# Altium PCB MODULE_GSM_GNSS_v1.1.PcbDoc (part 1 of 2) (continued)
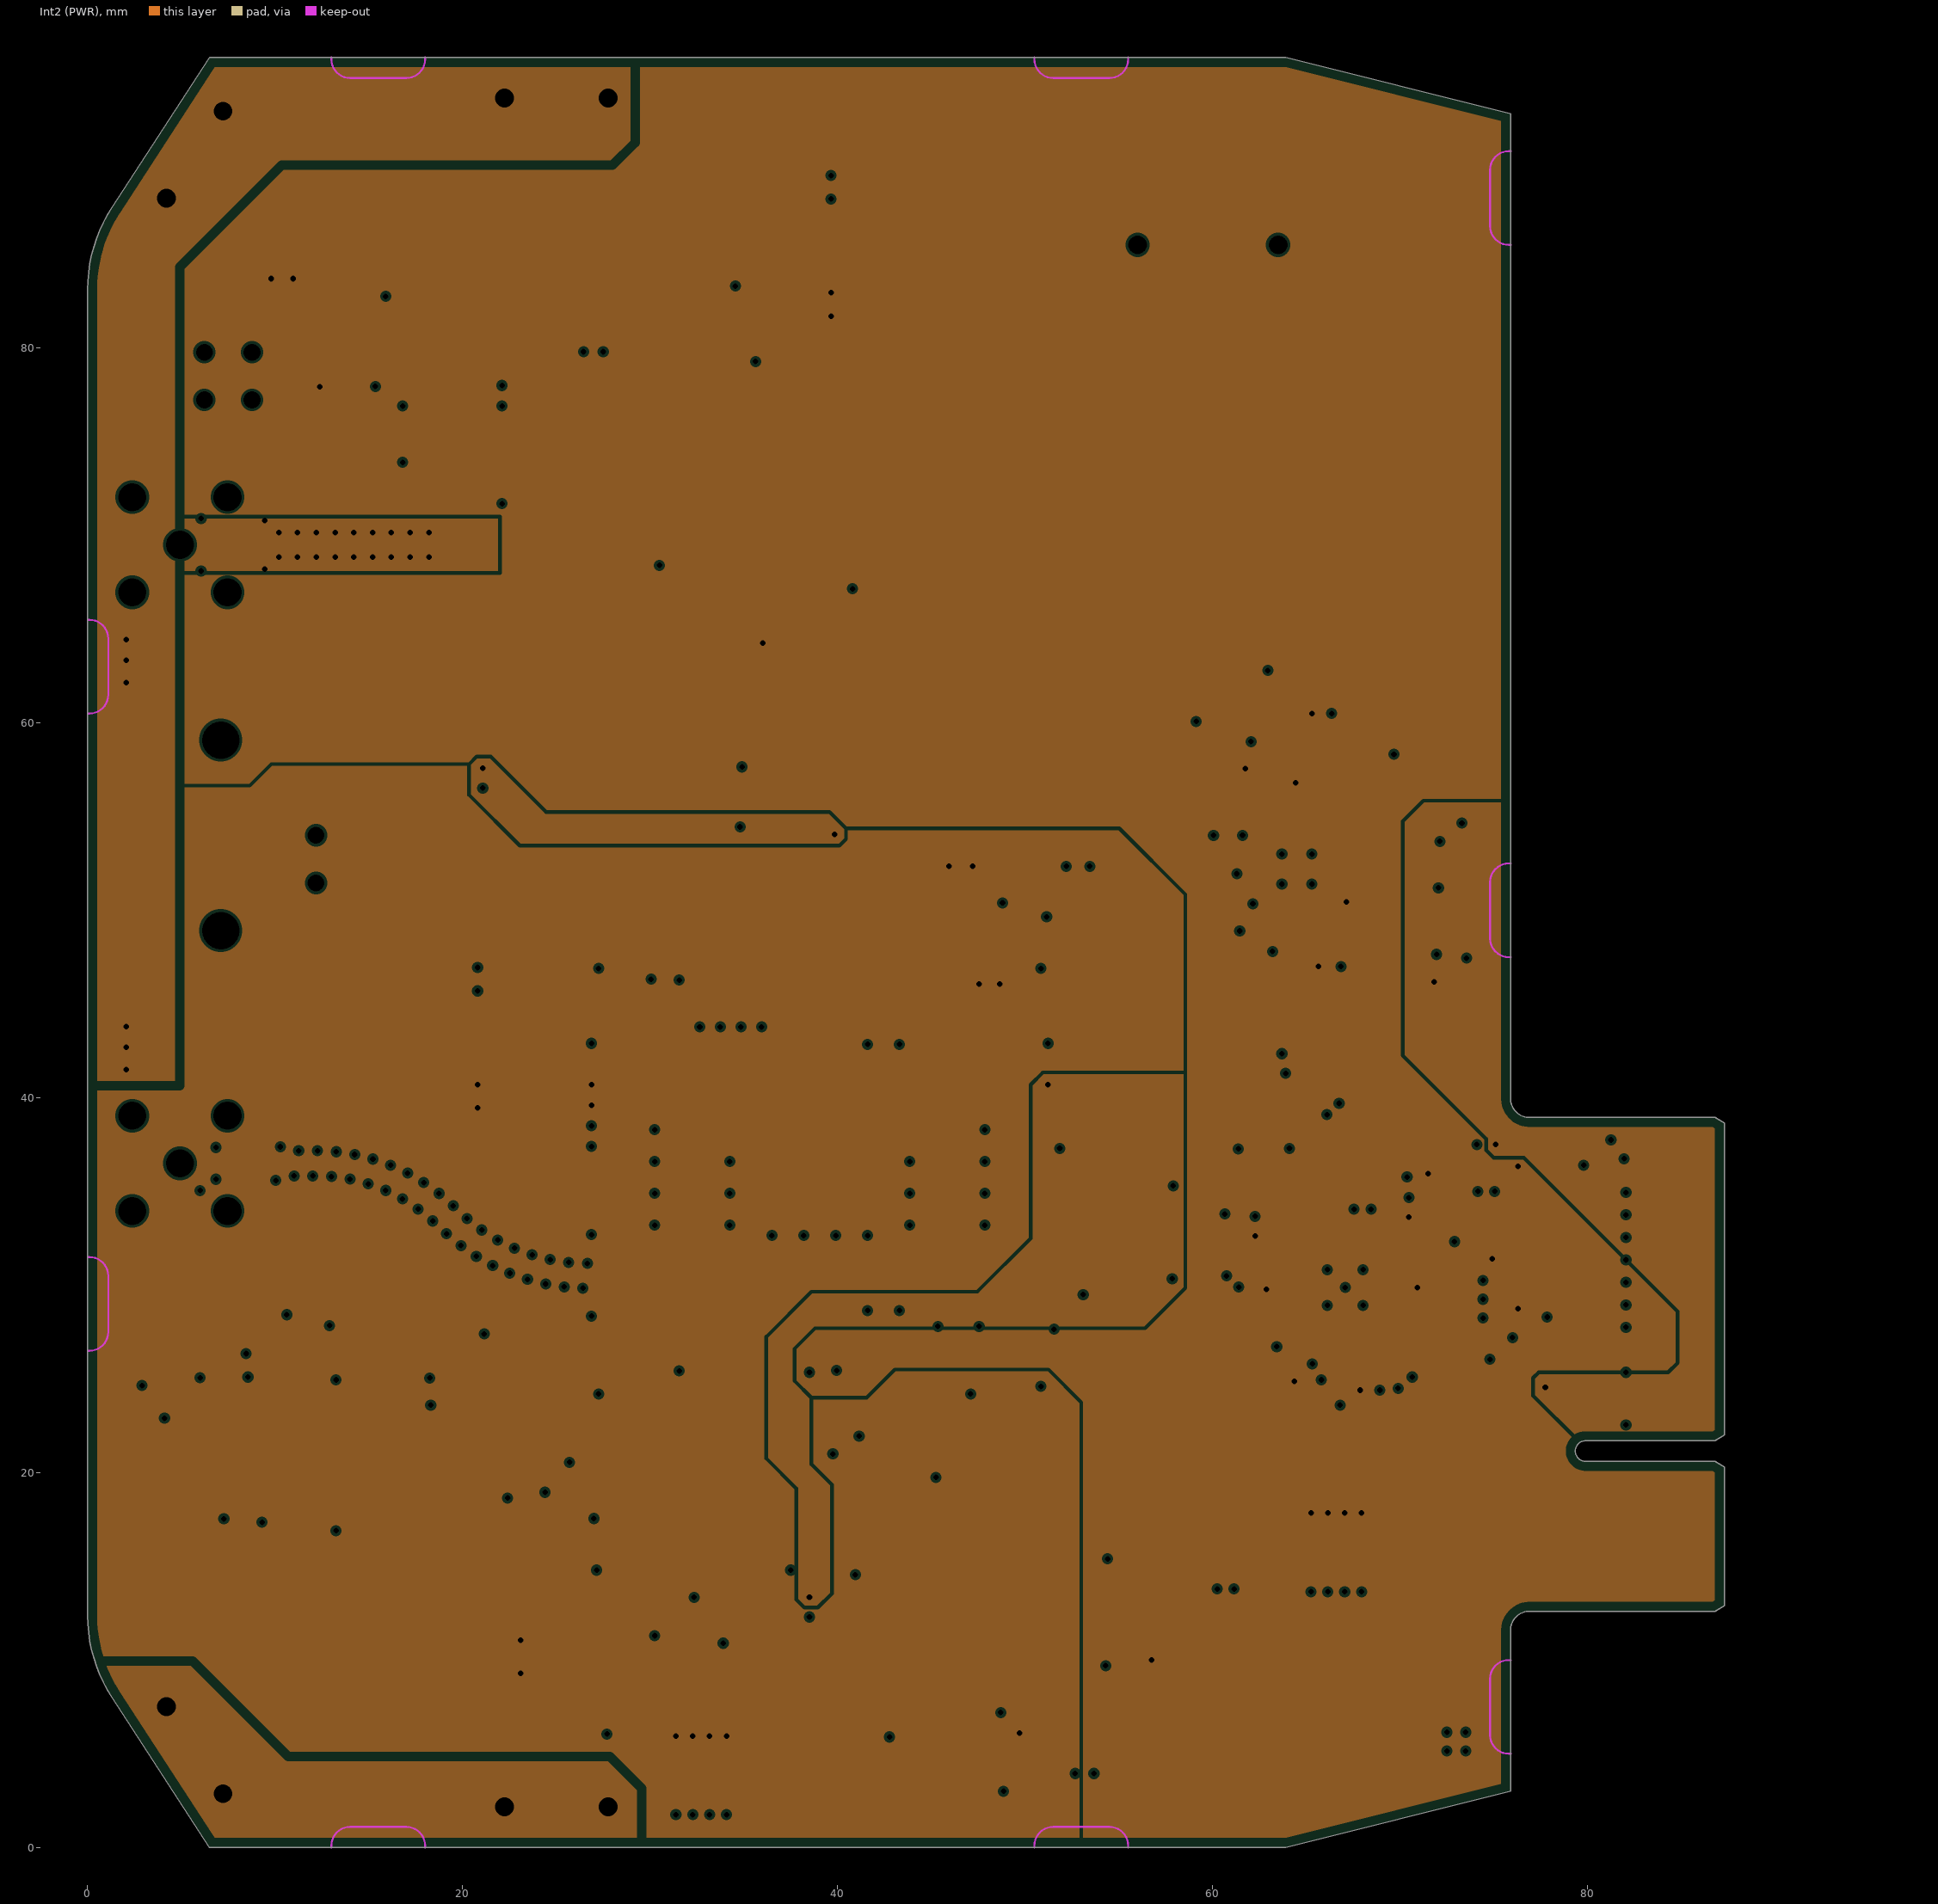
[diagram p3: Int2 (PWR), clearances drawn from the general rule]
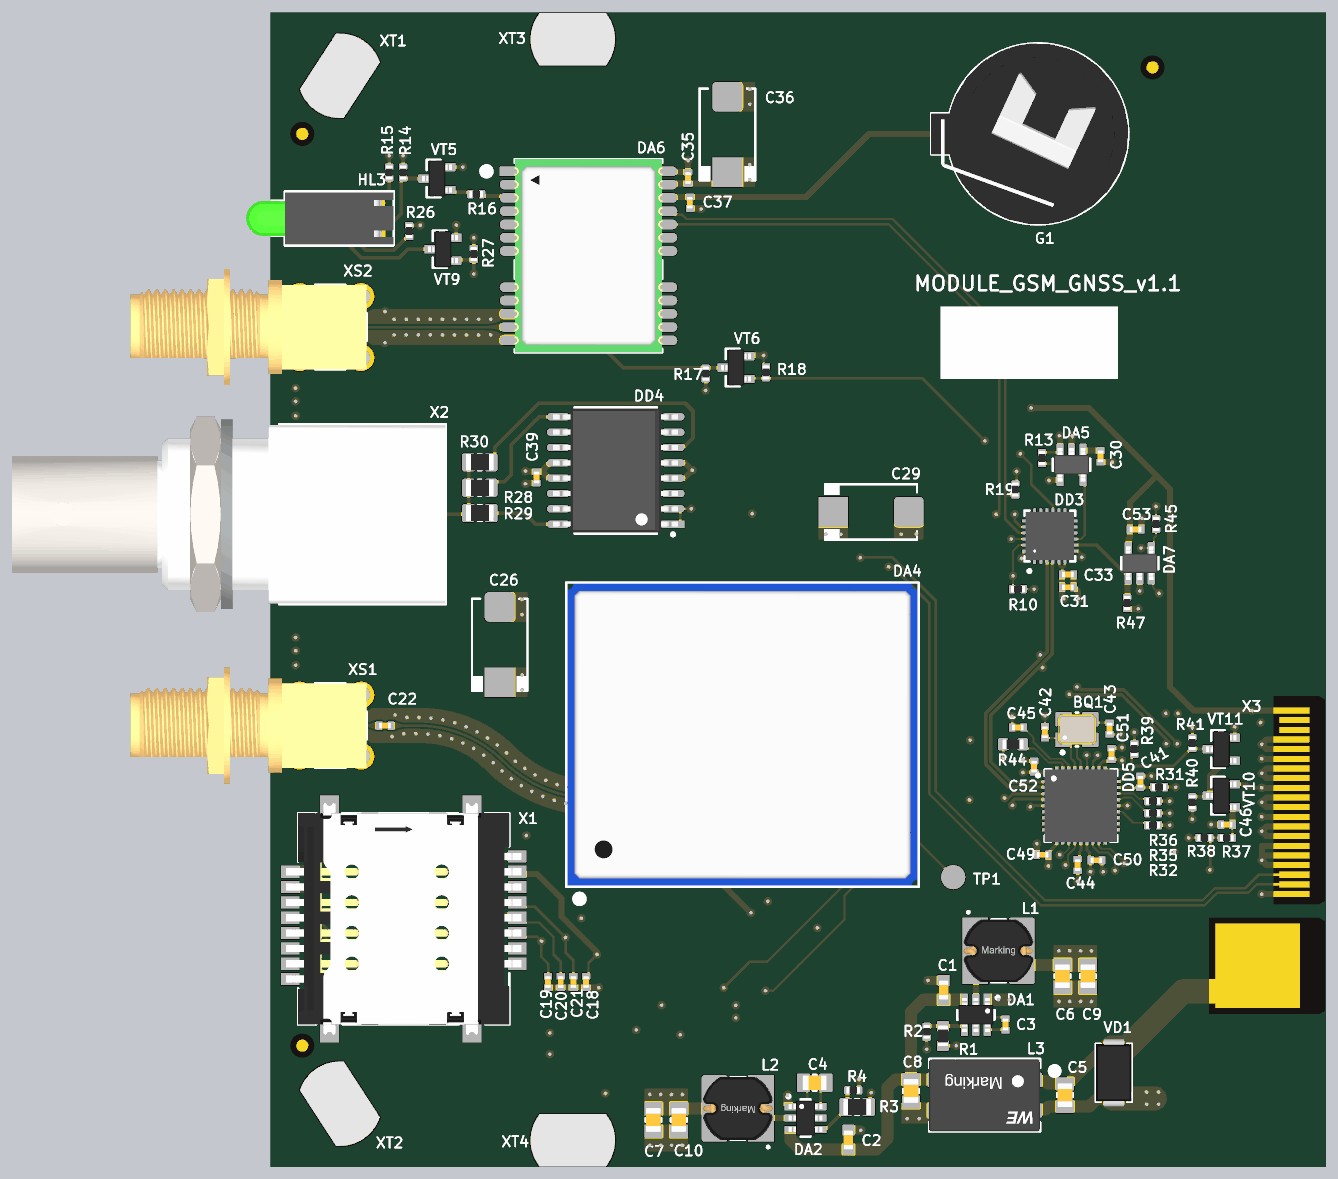
[diagram p5: 3D render of the assembled board from above, using the file's embedded part models]
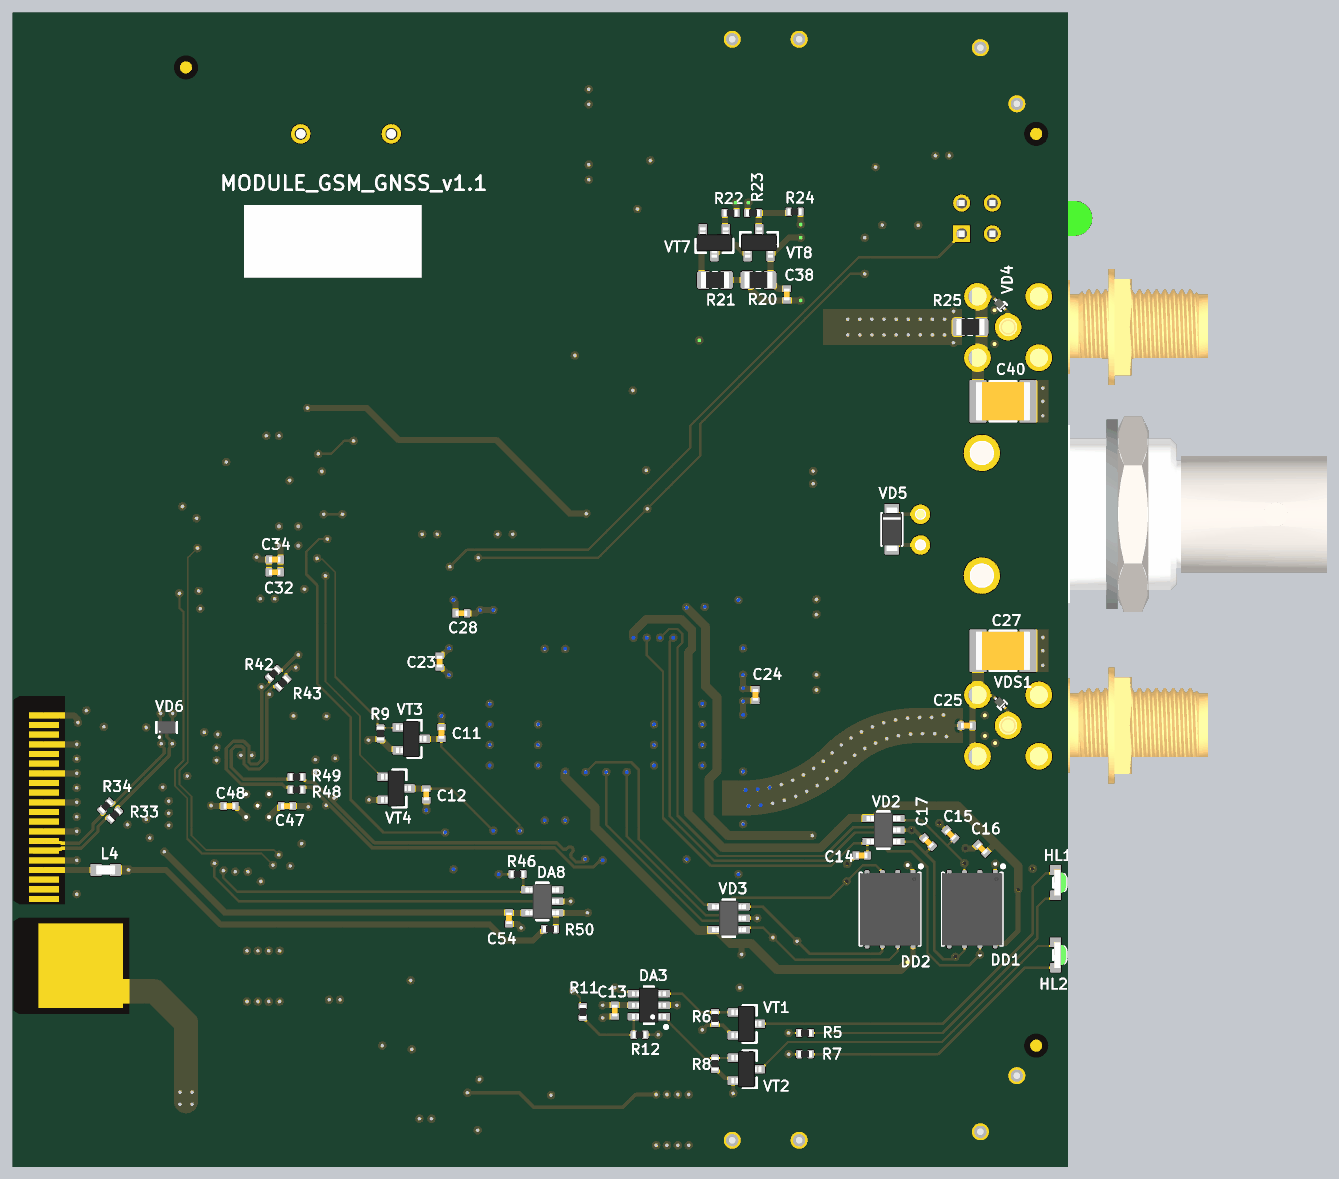
[diagram p6: 3D render of the assembled board from below, using the file's embedded part models]

## Layer stack, top to bottom
Top Solder: solder mask 0.0254, SM-001, Dk 4
Top Layer: signal copper 0.035
Dielectric 1: prepreg 0.1295, PP-017, Dk 4.3
Dielectric 2: prepreg 0.1295, PP-017, Dk 4.3
Int1 (GND): plane copper 0.035, net (Multiple Nets)
Dielectric 3: core 0.7112, Core-039, Dk 4.8
Int2 (PWR): plane copper 0.035, net (Multiple Nets)
Dielectric 4: prepreg 0.1295, PP-017, Dk 4.3
Dielectric 5: prepreg 0.1295, PP-017, Dk 4.3
Bottom Layer: signal copper 0.035
Bottom Solder: solder mask 0.0254, SM-001, Dk 4

## Board outline
6.5,0 1.291,8.022 cw(c8,12.379) 0,12.379 0,83.121 cw(c8,83.121) 1.291,87.478 6.5,95.5 63.9,95.5 75.9,92.5 75.9,39.95 ccw(c76.9,39.95) 76.9,38.95 86.8,38.95 87.3,38.65 87.3,22 86.8,21.7 79.9,21.7 ccw(c79.9,21.15) 79.9,20.6 86.8,20.6 87.3,20.3 87.3,12.9 86.8,12.6 76.9,12.6 ccw(c76.9,11.6) 75.9,11.6 75.9,3 63.9,0

## Design rules (kind name [scope] priority, off if disabled: settings)
BoardOutlineClearance BoardOutlineClearance_overlay [OnTopSilkscreen or OnBottomSilkscreen or IsKeepOut] p1: gap=0 ignorepadtopadclearanceinfootprint=FALSE
BoardOutlineClearance [All] p2: gap=0.5 ignorepadtopadclearanceinfootprint=FALSE except(0: Arc-SplitContinuation Track-SplitContinuation Poly-SplitContinuation Region-OutlineEdge Region-CavityEdge Region-CutoutEdge Region-SplitContinuation)
Clearance Clearance_Chassis [InNet('P0_SHIELD') or InNet('P1_SHIELD')] p1: gap=0 ignorepadtopadclearanceinfootprint=FALSE
Clearance [All] p2: gap=0.15 ignorepadtopadclearanceinfootprint=FALSE
ComponentClearance [All] p1: gap=0.2 collisioncheckmode=3 verticalgap=0.2 showdistances=FALSE
DiffPairsRouting 90Ohm [InDifferentialPair('USB1_D') or InDifferentialPair('USB2_D') or InDifferentialPair('USB3_D') or InDifferentialPair('HUB_D') or InDifferentialPair('USB_HOST_D')] p1: maxlimit=0.15 minlimit=0.127 mostfreqgap=0.15 toplayer_minwidth=0.227 toplayer_maxwidth=0.265 toplayer_prefwidth=0.265 bottomlayer_minwidth=0.227 bottomlayer_maxwidth=0.265 bottomlayer_prefwidth=0.265 impedanceprofiledriven=TRUE impedanceprofileid={654A6786-6CD2-4583-8927-0BD5B9B99962} impedanceprofilevalue=90.000000 maxuncoupledlength=12.7
DiffPairsRouting [All] p2: maxlimit=0.3 minlimit=0.1 mostfreqgap=0.149 toplayer_minwidth=0.1 toplayer_maxwidth=0.5 toplayer_prefwidth=0.199 bottomlayer_minwidth=0.1 bottomlayer_maxwidth=0.5 bottomlayer_prefwidth=0.199 maxuncoupledlength=12.7
HoleSize [All] p1: absolutevalues=TRUE maxlimit=20 minlimit=0.2 maxpercent=80.000 minpercent=20.000
HoleToHoleClearance [All] p1: gap=0.25 allowstackedmicrovias=TRUE
MatchedLengths MatchLengths_xSignals_X2_DD4 [InxSignalClass('xSignals_X2_DD4_MatchLengthsClass')] p1: tolerance=0.5 checknetsindiffpair=FALSE checkdiffpairvsdiffpair=TRUE checkxsignals=TRUE checkothers=TRUE
MinimumAnnularRing [All] p1: minimumring=0.15
MinimumSolderMaskSliver [All] p1: minsoldermaskwidth=0.06
PlaneClearance [All] p1: clearance=0.15
PlaneConnect [All] p1: pad.planeconnectstyle=Relief pad.reliefexpansion=0.2 pad.reliefentries=4 pad.reliefconductorwidth=0.4 pad.reliefairgap=0.25 via.planeconnectstyle=Direct via.reliefexpansion=0.5 via.reliefentries=4 via.reliefconductorwidth=0.25 via.reliefairgap=0.25
PolygonConnect [All] p1: thpad.connectstyle=Relief thpad.reliefconductorwidth=0.25 thpad.reliefentries=4 thpad.polygonreliefangle="90 Angle" thpad.airgapwidth=0.25 smdpad.connectstyle=Relief smdpad.reliefconductorwidth=0.25 smdpad.reliefentries=4 smdpad.polygonreliefangle="90 Angle" smdpad.airgapwidth=0.25 via.connectstyle=Direct via.reliefconductorwidth=0.25 via.reliefentries=4 via.polygonreliefangle="90 Angle" via.airgapwidth=0.25
RoutingCorners [All] p1: cornerstyle=45-Degree minsetback=2 maxsetback=2
RoutingVias [All] p1: holewidth=0.25 width=0.55 viastyle="Through Hole" minholewidth=0.2 minwidth=0.5 maxholewidth=2 maxwidth=5
SilkToSilkClearance [All] p1: silktosilkclearance=0.1
SilkToSolderMaskClearance [IsPad] p1: minsilkscreentomaskgap=0.05 clearancetoexposedcopper=TRUE
SolderMaskExpansion [All] p1: expansion=0.07 istentingtop=FALSE
Width [All] p1: maxlimit=20 minlimit=0.1 preferedwidth=0.15
20 further rules are at their usual default settings.

## Classes and differential pairs
component class USB_HUB: BQ1 C41 C42 C43 C44 C45 C46 C47 C48 C49 C50 C51 C52 C53 C54 DA7 DA8 DD5 L4 R31 R32 R33 R34 R35 R36 R37 R38 R39 R40 R41 R42 R43 R44 R45 R46 R47 R48 R49 R50 VD6 VT10 VT11
component class GSM: C11 C12 C13 C14 C15 C16 C17 C18 C19 C20 C21 C22 C23 C24 C25 C26 C27 C28 C29 DA3 DA4 DD1 DD2 HL1 HL2 R5 R6 R7 R8 R9 R10 R11 R12 TP1 VD2 VD3 VDS1 VT1 VT2 VT3 VT4 X1 XS1
component class GNSS: C30 C31 C32 C33 C34 C35 C36 C37 C38 C39 C40 DA5 DA6 DD3 DD4 G1 HL3 R13 R14 R15 R16 R17 R18 R19 R20 R21 R22 R23 R24 R25 R26 R27 R28 R29 R30 VD4 VD5 VT5 VT6 VT7 VT8 VT9 X2 XS2
component class CONNECTOR: C534 C535 TP16 TP17 TP18 TP19 TP20 TP21 TP22 TP23 TP24 TP25 TP26 TP27 X3 XT1 XT2 XT3 XT4
differential pair USB_HOST_D: +USB_HOST_D_P -USB_HOST_D_N
differential pair USB2_D: +USB2_D_P -USB2_D_N
differential pair USB1_D: +USB1_D_P -USB1_D_N
differential pair HUB_D: +HUB_D_P -HUB_D_N

## Components (designator, comment, footprint, x,y, rotation, side; value= is the part's Value field where it differs from the comment)
1 "Comment" Fiducial 2.6,85.5 r0 top locked
2 "Comment" Fiducial 73,91 r0 top locked
3 "Comment" Fiducial 73,91 r180 bottom locked
4 "Comment" Fiducial 2.6,85.5 r180 bottom locked
5 "Comment" Fiducial 2.6,10 r180 bottom locked
BQ1 "24 MHz" "3225 Crystal" 66.75,36.175 r0 top
C1 "10 мкФ" CAP0603(1608x08)N 55.7,14.6 r90 top
C2 "10 мкФ" CAP0603(1608x08)N 47.825,2.2 r90 top
C3 "0,1 мкФ" CAP0402(1005x05)N 60.825,11.75 r270 top
C4 "0,1 мкФ" CAP0805(2012x125)N 45.025,6.925 r0 top
C5 "0,1 мкФ" CAP0805(2012x125)N 65.75,5.9 r90 top
C6 "22 мкФ" CAP0805(2012x125)N 65.55,15.75 r270 top
C7 "22 мкФ" CAP0805(2012x125)N 31.675,3.85 r270 top
C8 "0,1 мкФ" CAP0805(2012x125)N 53,6.25 r90 top
C9 "22 мкФ" CAP0805(2012x125)N 67.65,15.75 r270 top
C10 "22 мкФ" CAP0805(2012x125)N 33.775,3.85 r270 top
C11 "0,1 мкФ" CAP0402(1005x05)N 51.85,35.9 r90 bottom
C12 "0,1 мкФ" CAP0402(1005x05)N 53.1,30.8 r270 bottom
C13 "0,1 мкФ" CAP0402(1005x05)N 37.5,12.9 r270 bottom
C14 "0,1 мкФ" CAP0402(1005x05)N 17.05,25.75 r180 bottom
C15 "33 пФ" CAP0402(1005x05)N 9.7,27.5 r45 bottom
C16 "33 пФ" CAP0402(1005x05)N 7.1,26.3 r45 bottom
C17 "33 пФ" CAP0402(1005x05)N 11.55,26.85 r45 bottom
C18 "0,1 мкФ" CAP0402(1005x05)N 26.1,15.275 r90 top
C19 "33 пФ" CAP0402(1005x05)N 22.95,15.275 r270 top
C20 "33 пФ" CAP0402(1005x05)N 24,15.275 r270 top
C21 "33 пФ" CAP0402(1005x05)N 25.05,15.275 r270 top
C22 "33 пФ" CAP0402(1005x05)N 9.45,36.5 r0 top locked
C23 "2,2 мкФ" CAP0402(1005x05)N 52,41.8 r270 bottom
C24 "33 пФ" CAP0402(1005x05)N 25.85,39.05 r90 bottom
C25 "2,2 мкФ" CAP0402(1005x05)N 8.35,36.5 r180 bottom
C26 "220 мкФ 10 В" CAP7343X31N 18.95,43.2 r90 top
C27 "2200 пФ 4 кВ" CAP1812(4532x25)N 5.35,42.7 r0 bottom
C28 "33 пФ" CAP0402(1005x05)N 50.2,45.8 r180 bottom
C29 "220 мкФ 10 В" CAP7343X31N 49.7,54.2 r0 top
C30 "0,1 мкФ" CAP0402(1005x05)N 68.7,58.8 r270 top
C31 "2,2 мкФ" CAP0402(1005x05)N 66,47.96 r180 top
C32 "2,2 мкФ" CAP0402(1005x05)N 65.65,49.2 r0 bottom
C33 "0,1 мкФ" CAP0402(1005x05)N 66,49.01 r0 top
C34 "0,1 мкФ" CAP0402(1005x05)N 65.65,50.25 r180 bottom
C35 "0,1 мкФ" CAP0402(1005x05)N 34.55,81.85 r90 top
C36 "220 мкФ 10 В" CAP7343X31N 37.8,85.45 r90 top
C37 "2,2 мкФ" CAP0402(1005x05)N 34.7,79.8 r90 top
C38 "2,2 мкФ" CAP0402(1005x05)N 23.25,72.2 r90 bottom
C39 "0,1 мкФ" CAP0402(1005x05)N 22,57.05 r90 top
C40 "2200 пФ 4 кВ" CAP1812(4532x25)N 5.35,63.35 r0 bottom
C41 "0,1 мкФ" CAP0402(1005x05)N 72,31.85 r90 top
C42 "22 пФ" CAP0402(1005x05)N 64.1,35.95 r90 top
C43 "22 пФ" CAP0402(1005x05)N 69.45,36.25 r270 top
C44 "0,1 мкФ" CAP0402(1005x05)N 66.8,24.95 r270 top
C45 "0,1 мкФ" CAP0402(1005x05)N 61.85,36.35 r180 top
C46 "2,2 мкФ" CAP0402(1005x05)N 79.15,28.3 r0 top
C47 "0,1 мкФ" CAP0402(1005x05)N 64.65,29.85 r0 bottom
C48 "0,1 мкФ" CAP0402(1005x05)N 69.4,29.85 r180 bottom
C49 "0,1 мкФ" CAP0402(1005x05)N 63.9,25.8 r180 top
C50 "0,1 мкФ" CAP0402(1005x05)N 68.35,25.35 r0 top
C51 "0,1 мкФ" CAP0402(1005x05)N 69.6,34.15 r90 top
C52 "0,1 мкФ" CAP0402(1005x05)N 63.2,33.1 r90 top
C53 "2,2 мкФ" CAP0402(1005x05)N 71.6,52.75 r180 top
C54 "2,2 мкФ" CAP0402(1005x05)N 46.25,20.55 r90 bottom
DA1 "TPS563209DDC" "SOT23-6 (2,9x2,8x1,45)" 58.375,12.55 r270 top
DA2 "TPS563209DDC" "SOT23-6 (2,9x2,8x1,45)" 44.275,4 r0 top
DA3 "SN74LVC1G3157DBVR" "SOT23-6 (2,9x2,8x1,45)" 34.675,13.35 r0 bottom
DA4 "EG95-E" EG95 39.05,35.75 r90 top locked
DA5 "LP3470IM5-3.08/NOPB" "SOT23-5 (2,9x2,8x1,45)" 66.3,58.1 r270 top
DA6 "L26 Quectel" L26 26.3,75.4 r0 top locked
DA7 "TPS2051BDBV" "SOT23-5 (2,9x2,8x1,45)" 71.95,49.95 r90 top
DA8 "TPS2051BDBV" "SOT23-5 (2,9x2,8x1,45)" 43.5,21.95 r0 bottom
DD1 "SIM_chip #1" VQFN-8 7.9,21.3 r270 bottom
DD2 "SIM_chip #2" VQFN-8 14.7,21.3 r270 bottom
DD3 "CP2105" "QFN-24 (4x4x0,8)" 64.5,52.2 r90 top locked
DD4 "74F3037" SO16-300 28.55,57.625 r180 top
DD5 "USB2514B" QFN-36-(6x6x1)(3,7x3,7_EP) 67.075,29.875 r0 top locked
G1 "CH23-1220" CH23-1220 63.5,85.5 r0 top locked
HL1 "KPA-2106CGCK (зелёный)" 2110x0,6-SMD-LED-GN 1,23.5 r270 bottom locked
HL2 "KPA-2106CGCK (зелёный)" 2110x0,6-SMD-LED-GN 1,17.5 r270 bottom locked
HL3 "WP934EB/2GD" 934EB_2GD 7.5,78.5 r0 top locked
L1 "3,3 мкГн" WE-PD2-5848 60.25,17.85 r0 top
L2 "3,3 мкГн" WE-PD2-5848 38.675,4.8 r180 top
L3 "WE-SL2 744226" WE-SL2 59.1,5.9 r180 top
L4 "SB01-160808121P" IND0603N 79.65,24.55 r180 bottom
R1 "33К2 1%" RES0603N 55.65,10.8 r270 top
R2 "10К 1%" RES0402N 54.3,11.15 r270 top
R3 "40К2 1%" RES0805N 48.55,4.925 r0 top
R4 "10К 1%" RES0402N 48.225,6.3 r0 top
R5 "560" RES0402N 21.75,11.05 r0 bottom
R6 "10K" RES0402N 29.2,12.3 r90 bottom value="10 кОм 0402"
R7 "560" RES0402N 21.75,9.3 r0 bottom
R8 "10K" RES0402N 29.2,8.5 r90 bottom value="10 кОм 0402"
R9 "10K" RES0402N 56.9,35.85 r270 bottom value="10 кОм 0402"
R10 "10K" RES0402N 61.85,47.8 r0 top value="10 кОм 0402"
R11 "8K2" RES0402N 40.15,12.8 r270 bottom value="10 кОм 0402"
R12 "10K" RES0402N 35.45,10.9 r0 bottom value="10 кОм 0402"
R13 "4K7" RES0402N 63.85,58.65 r90 top
R14 "560" RES0402N 10.95,82.3 r90 top
R15 "130" RES0402N 9.8,82.3 r90 top
R16 "4K7" RES0402N 17,80.5 r180 top
R17 "4K7" RES0402N 36,65.65 r270 top
R18 "10K" RES0402N 41,65.75 r90 top
R19 "4K7" RES0402N 61.65,56.05 r270 top
R20 "22 Ом" RES0805N 25.6,73.4 r0 bottom
R21 "330 Ом" RES0805N 29.2,73.4 r0 bottom
R22 "10K" RES0402N 27.9,78.95 r180 bottom
R23 "10K" RES0402N 26.05,78.95 r180 bottom
R24 "1K" RES0402N 22.6,79.05 r0 bottom
R25 "0" RES0805N 8.05,69.5 r0 bottom
R26 "130" RES0402N 11.45,77.45 r90 top
R27 "10K" RES0402N 16.8,75.55 r90 top
R28 "10" RES0805N 17.3,56.2 r180 top
R29 "10" RES0805N 17.3,54.1 r180 top
R30 "10" RES0805N 17.3,58.3 r180 top
R31 "100К" RES0402N 73.55,31.4 r180 top
R32 "100K" RES0402N 73.05,28.25 r180 top
R33 "4,7 Ом" RES0402N 78.922,29.114 r135 bottom value="10 Ом 0402"
R34 "4,7 Ом" RES0402N 79.629,29.821 r135 bottom value="10 Ом 0402"
R35 "100K" RES0402N 73.05,29.25 r180 top
R36 "100K" RES0402N 73.05,30.25 r180 top
R37 "100К" RES0402N 79.15,27.2 r0 top
R38 "10K" RES0402N 77.3,27.2 r180 top
R39 "100К" RES0402N 71.5,34.55 r270 top
R40 "10K" RES0402N 76.3,30.15 r90 top
R41 "10K" RES0402N 76.3,35.05 r90 top
R42 "4,7 Ом" RES0402N 65.75,40.8 r135 bottom value="10 Ом 0402"
R43 "4,7 Ом" RES0402N 65,40.05 r135 bottom value="10 Ом 0402"
R44 "12K 1%" RES0603N 61.45,34.95 r0 top
R45 "10K" RES0402N 73.3,53.2 r270 top
R46 "10K" RES0402N 45.55,24.2 r180 bottom
R47 "4,7 Ом" RES0402N 70.9,46.65 r270 top value="10 Ом 0402"
R48 "4,7 Ом" RES0402N 63.85,31.2 r0 bottom value="10 Ом 0402"
R49 "4,7 Ом" RES0402N 63.85,32.25 r0 bottom value="10 Ом 0402"
R50 "4,7 Ом" RES0402N 42.85,19.65 r0 bottom value="10 Ом 0402"
TP1 "GSM_STATUS" SMD-PAD-D2 56.5,23.95 r0 top locked
VD1 "SMAJ15CA" "DO-214AC (SMA) Non-Polar" 69.8,7.75 r90 top
VD2 "ESDA6V1SC5" "SOT23-5 (2,9x2,8x1,45)" 15.25,27.85 r0 bottom
VD3 "ESDA6V1SC5" "SOT23-5 (2,9x2,8x1,45)" 28.05,20.55 r0 bottom
VD4 "ESD9L5.0ST5G" SOD-923 5.6,71.4 r45 bottom locked
VD5 "SMF5.0AT1G" SOD-123FL 14.55,52.75 r270 bottom
VD6 "TPD4S012DRYR" "DRY0006A (SON-6)" 74.6,36.35 r90 bottom
VDS1 "ESD9L5.0ST5G" SOD-923 5.6,38.4 r45 bottom locked